# KiCad board smoothiev2-prime-2660.kicad_pcb (continued)
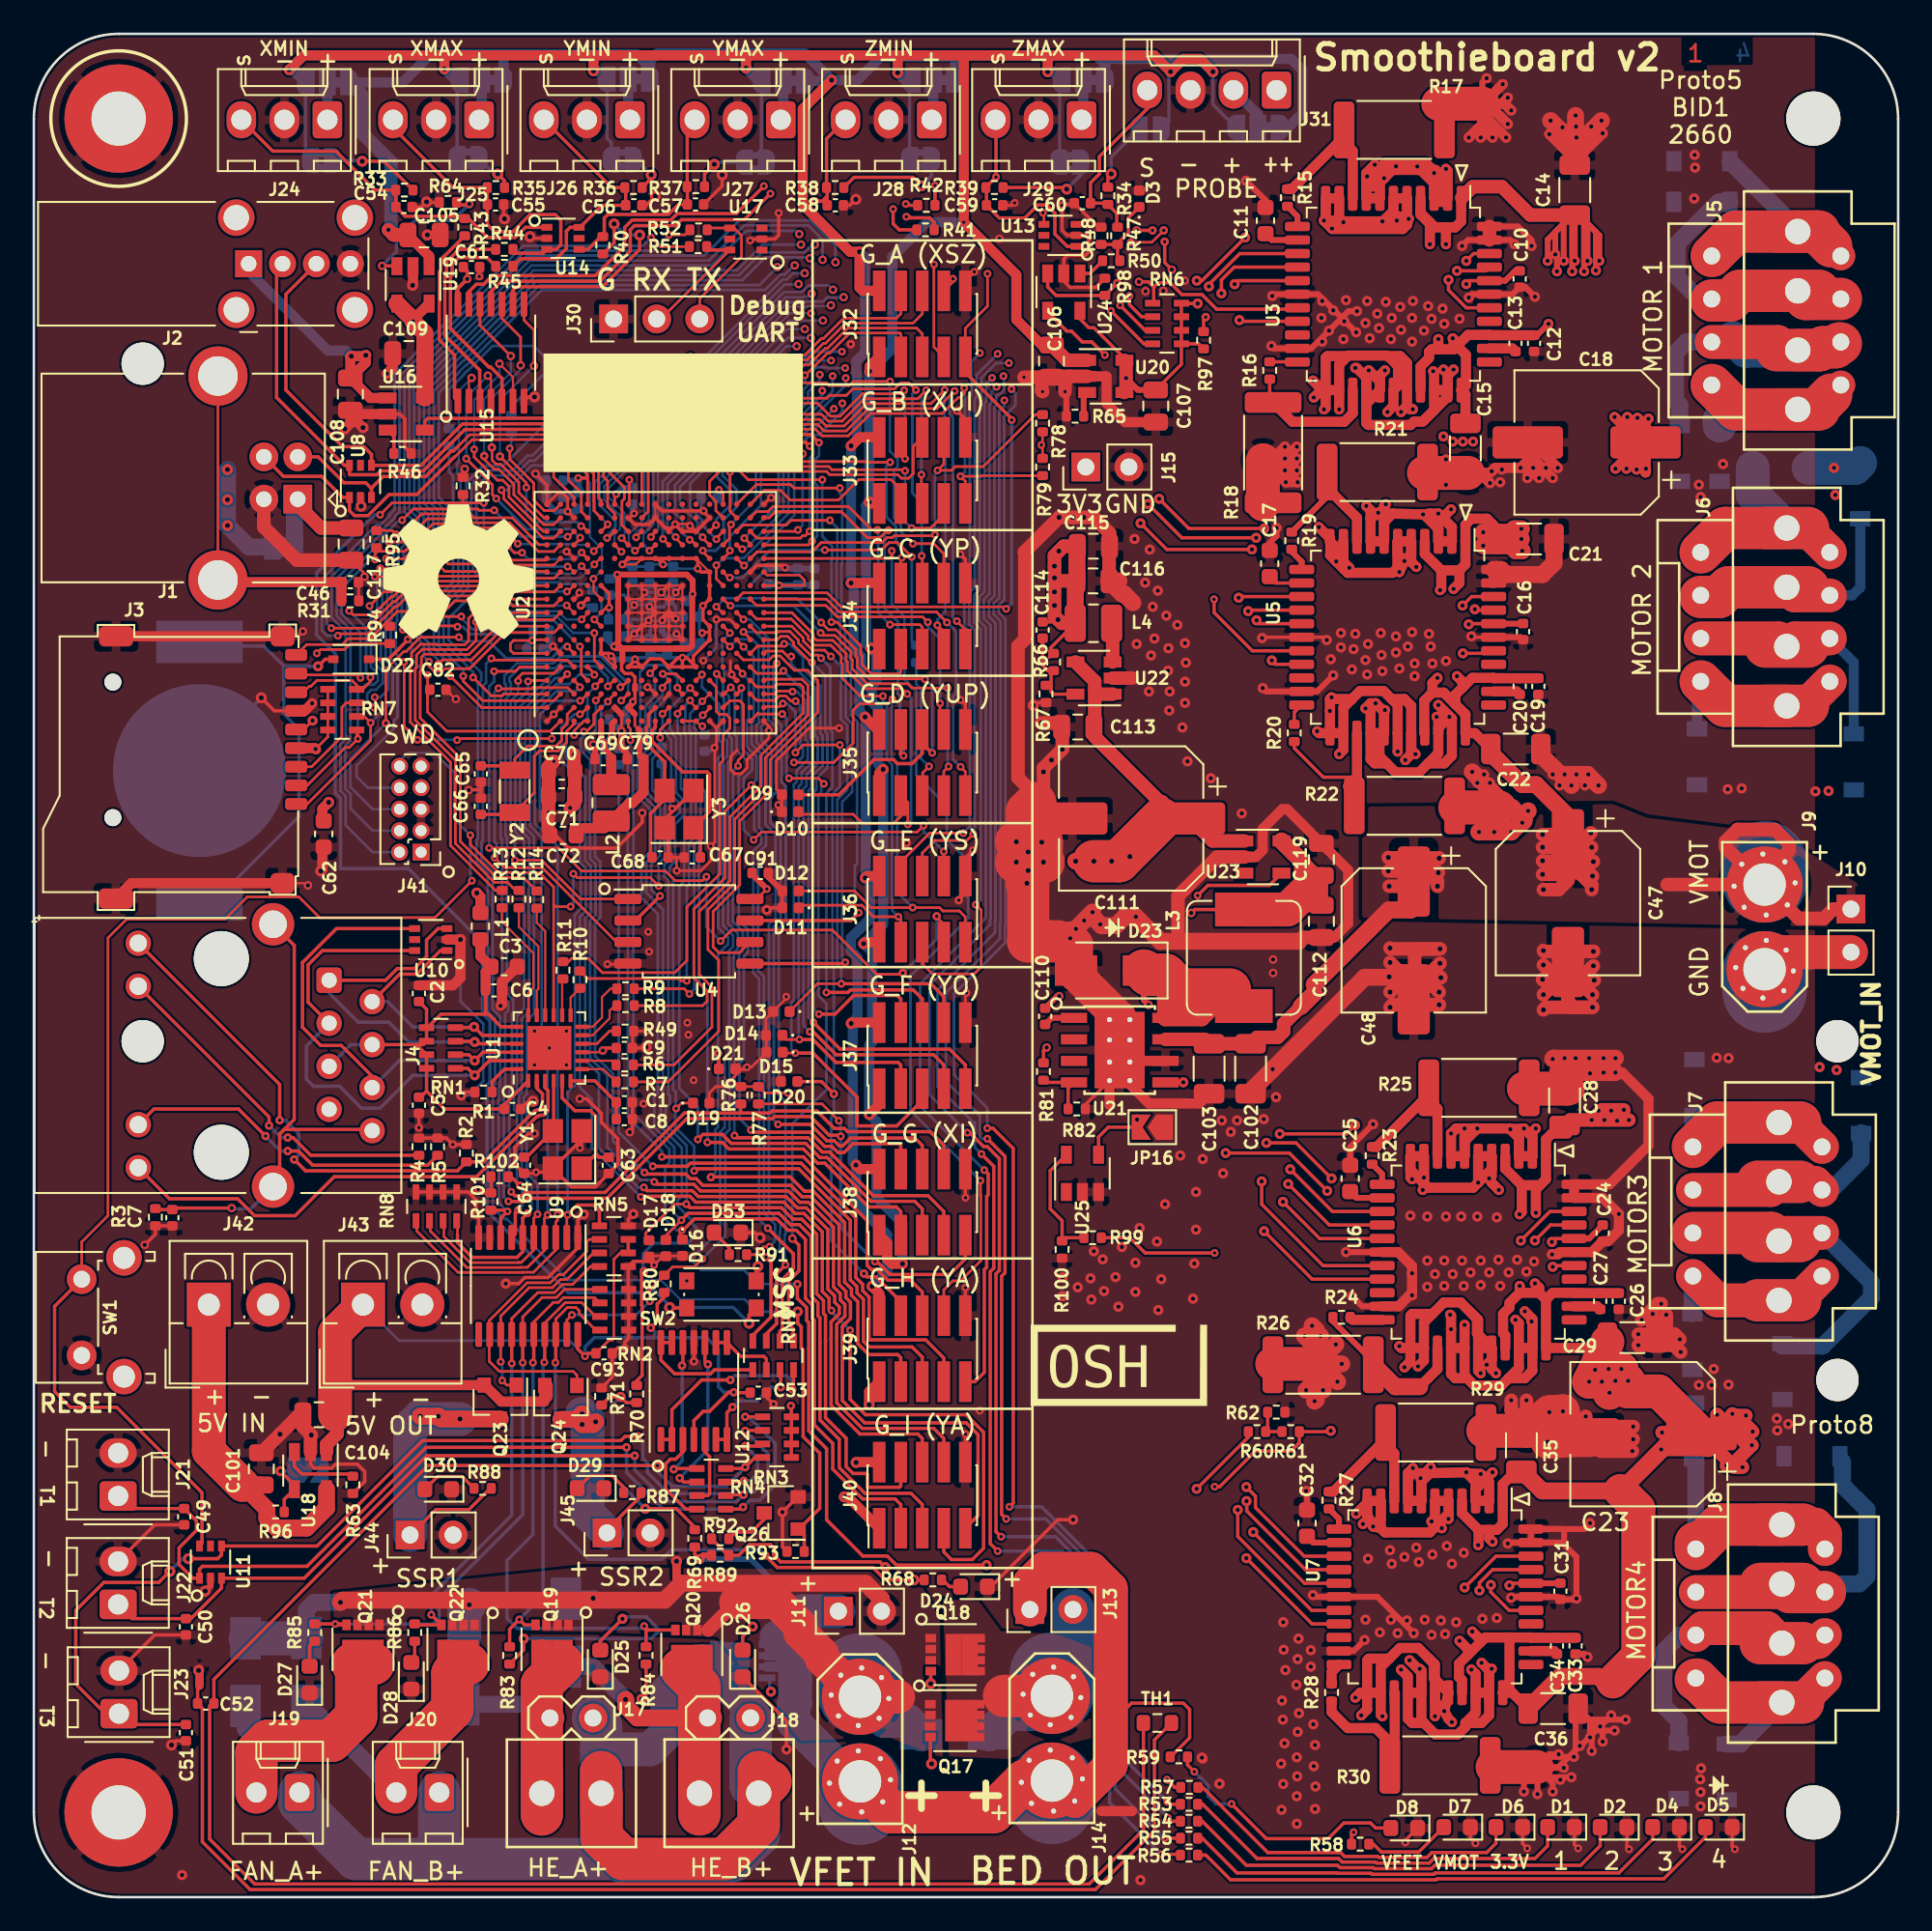
[diagram p0: board, top side]
## Via types (continued)
v2: diameter 0.6, hole 0.25, Top to Bottom, 594 vias
v3: diameter 0.46, hole 0.2, Top to Bottom, 462 vias
v4: diameter 0.5, hole 0.25, Top to Bottom, 75 vias
v5: diameter 0.5, hole 0.2, Top to Bottom, 61 vias

## Routing (per net, layer and track width the routed paths; a pad name or vN(x,y) marks a point on that pad's centre or on a via; arc(x,y) is an arc through that point)
/1.2V_MCU: length 91.3
  Top w0.16: U2.U12 43.25,78.05 45.18,78.05 45.47,77.75 45.47,77.44 v3(43.97,77.44) 43.96,77.43 U2.U11 ; U2.A6 28.3,73.43 28.12,73.61 28.12,74 28.3,74.19 v3(29.4,74.19) 29.44,74.23 U2.A7 ; U2.D17 32.67,83.99 31.68,84.98 30.89,84.98 30.67,84.75 30.67,83.83 31.87,82.63 U2.C17 ; 35.68,68.95 35.46,69.16 35.46,69.84
  Top w0.2: 38.85,73.91 38.57,73.63 34.87,73.63 34.68,73.82 ; 34.68,73.82 34.24,73.82 v3(34.23,73.83) ; 34.68,73.82 34.74,73.76 34.74,72.88 34.68,72.82 34.68,72.44 34.88,72.24 35.26,72.24 35.47,72.03 35.47,70.7 v3(35.34,70.57) ; 34.68,73.82 34.42,74.08 v3(34.42,78.08) ; v3(32.12,83.78) 32.67,83.78
  Top w0.35: 35.46,69.84 U2.G2 35.34,70.5 v3(35.34,70.57) ; 34.72,73.73 34.34,73.73 v3(34.23,73.83) 34.48,74.08 34.48,78.02 v3(34.42,78.08) 38.52,78.08 38.87,77.73 v3(38.87,76.93) 38.85,76.91 38.85,73.91 38.67,73.73 34.72,73.73 ; 34.72,73.73 34.72,72.97 ; 35.47,71.28 35.47,71.54 ; C79.1 35.74,67.41 35.74,68.89 35.67,68.95
  Top w0.6: C79.1 35.97,65.23 35.34,64.6 35.14,64.6 L2.1 33.64,63.11 31.89,63.11
  In1.Cu w0.6: 34.23,73.93 34.47,73.93 34.72,73.68 34.72,72.53 35.34,71.91 v3(35.34,70.57)
  In2.Cu w0.35: v3(29.4,74.19) 29.63,74.42 32.49,74.42 33.07,73.83 v3(34.23,73.83) ; v3(34.42,78.08) 33.82,78.68 33.82,79.44 33.28,79.98 33.28,80.07 32.87,80.48 32.87,83.03 v3(32.12,83.78)
  In2.Cu w0.6: v3(38.87,76.93) 39.18,77.24 43.77,77.24 v3(43.97,77.44)
  Bottom w0.16: v3(38.87,76.93) 38.48,76.54 C96.1
  Bottom w0.2: v3(34.42,78.08) 34.17,77.83 C97.1
  Bottom w0.35: 29.08,73.66 29.08,73.87 v3(29.4,74.19) 29.4,74.74 C73.1 ; v3(34.23,73.83) 33.86,74.21 C98.1 ; C75.1 45.08,77.47 C95.1 45.03,77.44 v3(43.97,77.44) 43.89,77.52 C74.1 ; v3(35.34,70.57) 34.92,70.15 C100.1 ; C77.1 31.85,82.66 32.18,82.99 32.18,83.72 v3(32.12,83.78) 31.97,83.63 31.48,83.63
/3V3: length 322.9
  Top w0.128: U2.H13 35.52,78.68 v3(34.72,78.68) ; U1.9 33.47,49.88 v4(33.57,49.98) ; U2.F5 U2.E6 ; U2.G13 U2.M13 U2.N12 ; U2.M5 U2.K5 ; U2.N8 U2.N7 ; v3(39.44,69.13) 39.37,69.13 U2.M1
  Top w0.16: R95.2 21.14,80.68 v3(21.37,80.45) ; v3(34.36,82.83) 34.27,82.74 U2.F17 ; U2.P17 40.67,82.83 v3(40.42,83.08) ; v3(16.7,73.43) 16.92,73.66 18.32,73.66 18.67,74 R94.2 ; U4.8 42.66,58.92 v3(43.25,59.52) ; 39.87,74.68 39.48,74.68 v3(39.43,74.63) ; R78.2 59.52,85.81 v3(59.45,85.73) 59.52,85.66 R79.2 ; R76.2 R77.2 43.11,47.48 v3(44.49,47.48) ; U2.E9 33.77,76.13 v3(33.94,76.13) 33.87,76.2 33.87,76.23 ; RN7.1 RN7.4 17.34,68.5 v4(16.62,67.78) ; v3(35.13,83.68) 35.13,82.29 U2.G17 ; 37.12,79.03 v3(37.12,78.68) ; U2.M1 U2.L1
  Top w0.2: U2.J13 36.77,79.03 v3(37.12,78.68) ; U2.M5 38.91,72.79 38.91,73.27 U2.N7 U2.N8 39.48,75.42 v3(39.48,76.24) U2.N10 U2.N12 39.37,78.23 v3(39.17,78.43) 39.17,78.93 U2.M13 U2.G13 v3(34.72,78.68) ; U2.M5 38.53,73.17 v3(38.27,73.17) ; U2.M5 U2.L5 ; v2(84.52,95.23) 84.72,95.43 U3.40 ; U5.40 84.7,75.18 v2(84.67,75.14) ; U2.F5 34.27,73.06 v3(34.06,73.27) 33.9,73.43 U2.E6 U2.E7 ; v3(66.86,6.93) 67.31,6.48 R57.1 ; v2(71.87,79.56) 71.87,79.56 66.85,79.56 v2(65.3,81.11) ; L4.1 59.99,73.75 59.99,73.28 59.92,73.2 ; v2(89.57,38.68) 89.77,38.88 U6.40 ; RN6.5 RN6.8 67.73,94.08 v2(68.67,94.08) ; RN6.5 68.73,91.7 R97.2 ; RN6.5 67.71,90.5 C107.1 ; v4(25.57,95.53) 25.57,96 C61.1 ; v4(25.57,95.53) 25.02,94.98 U15.14 ; v4(25.57,95.53) 24.95,94.91 24.95,94.11 ; v3(38.27,73.17) U2.L5 ; v3(38.27,73.17) 38.01,73.17 U2.K5 ; U2.E11 33.94,76.96 v3(33.94,76.13) ; U2.L5 U2.K5 ; U2.H5 36.35,73.11 36.99,73.11 U2.K5 ; U2.H5 U2.G5 35.47,73.03 ; U2.H5 35.47,73.03 ; R102.2 R101.2 26.42,41.58 v5(26.22,41.78) ; SW2.2 42.62,37.13 v1(42.72,37.23) ; v2(76.31,41.69) 74.08,43.93 v2(70.32,43.93) ; v5(44.67,29) 44.7,28.98 RN3.8 RN3.5 ; 35.47,73.03 v3(35.47,73.08) ; 64.35,90.73 64.35,90.86 62.55,92.66 62.24,92.66 61.72,93.18 U24.5 ; v1(60.43,75.42) 60.3,75.28 C114.2 ; C9.1 33.72,50.13 v4(33.57,49.98) ; v2(71.47,97.98) 68.92,95.43 v2(68.62,95.43) ; v2(87.07,18.4) 87.19,18.53 U7.40
  Top w0.35: C91.1 42.38,60.39 v3(43.25,59.52) ; C16.1 87.86,75.18 U5.40 ; C24.1 91.77,38.88 U6.40 ; U7.40 90.06,18.53 C31.1 ; C107.1 65.14,88.98 v2(64.45,89.68) ; U3.40 86.82,95.43 87.4,96.01 C10.1 ; v4(34.11,68.54) 34.11,69.27 U2.F1
  Top w0.6: J3.4 16.57,67.83 v4(16.62,67.78) 16.64,67.75 ; 17.02,63.59 17.02,64.26 v1(17.4,64.63) ; 26.34,58.11 26.34,59.07 v1(26.13,59.28)
  Top w0.8: 60.22,77.68 v1(60.22,77.06) v1(60.22,76.25) 60.22,75.63 v1(60.43,75.42) 60.64,75.2 L4.1 ; 60.22,77.68 v1(60.22,77.88) v1(60.22,78.58) 60.22,79.2 v1(60.48,79.47) 60.77,79.75 C115.1 ; 60.22,77.68 60.24,77.7 C116.1 ; v4(31.64,64.31) 31.87,64.53 31.87,65.38 ; 64.35,88.83 64.45,88.93 v2(64.45,89.68) 64.45,90.63 64.35,90.73 ; C70.1 31.92,65.43 ; 31.87,66.93 v4(31.87,67.45)
  Top w1: C115.1 61.55,79.73 C116.1 61.45,77.61 L4.1
  In2.Cu w0.2: 69.27,48.88 68.87,48.48 68.87,45.38 v2(70.32,43.93) ; v2(84.52,95.23) 84.22,94.93 74.52,94.93 v2(71.47,97.98) ; 69.07,18.93 69.27,19.13 69.27,23.85 69.14,23.98 69.14,24.48 69.27,24.61 69.27,37.75 69.21,37.81 69.21,39.15 69.27,39.21 69.27,42.18 68.39,43.06 64.7,43.06 64.02,43.73 63.95,43.73 ; v2(68.62,95.43) 68.62,94.13 v2(68.67,94.08) ; v2(76.31,41.69) 79.78,38.23 89.12,38.23 v2(89.57,38.68) ; v2(87.07,18.4) 85.74,17.08 75.97,17.08 75.81,16.92 75.03,16.92 74.87,17.08 70.92,17.08 68.3,19.71 68.3,19.75 68.28,19.77 67.46,19.77 63.98,16.29 63.98,9.81 v3(66.86,6.93) ; v2(71.87,79.56) 75.62,75.81 84,75.81 v2(84.67,75.14)
  In2.Cu w0.35: v4(31.87,67.45) 31.92,67.41 33.67,67.41 34.11,67.85 v4(34.11,68.54)
  In2.Cu w0.6: v4(25.57,95.53) 25.57,90.88 ; v2(65.3,81.11) 63.85,81.11 61.67,78.93 61.67,73.68 66.58,68.77 66.58,67.3 69.43,64.45 69.43,58.81 69.3,58.68 69.3,48.91 69.27,48.88
  Bottom w0.16: C88.1 33.91,76.1 v3(33.94,76.13) ; v3(39.17,78.43) 37.85,78.43 C83.1 37.6,78.68 v3(37.12,78.68) 36.44,78.68 C85.1 C90.1 34.84,78.56 v3(34.72,78.68) ; v3(40.42,83.08) 40.42,82.63 40.37,82.58 C94.1 ; v3(35.13,83.68) 35.32,83.49 C92.1 ; C87.1 39.43,74.13 v3(39.43,74.63) 39.27,74.79 C84.1 39.27,76.03 v3(39.48,76.24)
  Bottom w0.2: C89.1 36.39,73.33 C86.1 ; 36.37,73.17 35.56,73.17 v3(35.47,73.08) ; C87.1 38.47,73.17 v3(38.27,73.17) 37.37,73.17 ; 39.57,68.61 39.44,68.74 v3(39.44,69.13)
  Bottom w0.35: v3(35.47,73.08) 34.25,73.08 v3(34.06,73.27) ; v4(34.11,68.54) 33.88,68.31 33.88,67.27 34.3,66.85 C118.1 ; C92.1 34.72,83.19 v3(34.36,82.83)
  vias: v3(38.52,36.38)
/3V3_LIMIT: length 221.3
  Top w0.6: v1(49.29,29.06) 49.29,29.84 J39.1 ; J33.1 49.37,82.28 v1(49.29,82.36) ; v1(33.02,107.81) 33.02,108.63 32.92,108.73 ; 60.02,108.73 66.1,108.73 v1(67.07,107.76) 67.82,108.52 68.82,108.52 v1(69.57,107.76) ; 60.02,108.73 54.65,108.73 ; 60.02,108.73 59.82,108.53 v1(59.82,107.76) ; J32.1 49.31,90.36 v1(49.31,90.08) ; J37.1 49.88,46.79 v1(49.29,46.2) ; 54.65,108.73 51.07,108.73 ; 54.65,108.73 54.87,108.51 v3(54.87,98.88) 57.97,95.78 57.97,93.13 59.47,91.63 ; J38.1 50.35,38.61 50.35,37.67 50.63,37.39 v1(51.25,37.39) ; 24.12,108.73 15.92,108.73 v1(15.07,107.88) ; 24.12,108.73 32.92,108.73 ; 24.12,108.73 24.22,108.63 v1(24.22,107.93) ; 32.92,108.73 42.22,108.73 ; 51.07,108.73 50.97,108.63 v1(50.97,107.7) ; 51.07,108.73 42.22,108.73 ; 42.22,108.73 42.02,108.53 v1(42.02,107.98) ; J35.1 49.88,66.35 v1(50.11,66.58) ; v1(48.96,56.29) 49.05,56.38 J36.1 ; J34.1 49.43,73.68 v1(49.39,73.73) ; v1(47.82,23.63) 48.03,23.63 J40.1
  Top w0.8: U20.1 60.95,90.73 C106.1
  In2.Cu w0.6: v1(51.25,37.39) 51.25,31.03 v1(49.29,29.06) 49.29,25.1 v1(47.82,23.63)
  Bottom w0.2: JP14.1 60.53,102.49 60.53,107.19 JP6.3 ; JP5.3 51.67,107.18 JP13.1 ; JP9.1 16.02,102.83 JP1.3 ; JP2.3 24.97,107.13 JP10.1 ; JP3.3 33.82,107.28 33.82,103.83 34.07,103.58 JP11.1 ; JP8.3 69.57,105.83 v1(69.57,107.76) ; v1(67.07,107.76) 66.97,107.66 66.97,104.83 JP7.1 ; JP12.1 42.92,102.73 JP4.3
  Bottom w0.6: v1(59.82,107.76) 60.14,107.76 JP6.3 ; v1(33.02,107.81) 33.29,107.81 JP3.3 ; v1(24.22,107.93) 24.87,107.28 JP2.3 ; JP4.3 42.77,107.23 v1(42.02,107.98) ; v3(54.87,98.88) 52.7,98.88 50.65,96.84 50.65,91.41 v1(49.31,90.08) 49.29,90.06 v1(49.29,82.36) 49.11,82.17 49.11,74.01 v1(49.39,73.73) 49.71,73.4 49.71,71.81 49.44,71.54 49.44,70.57 49.81,70.2 49.81,66.87 v1(50.11,66.58) 50.11,57.44 v1(48.96,56.29) 49.45,55.81 49.45,50.45 49.29,50.3 v1(49.29,46.2) 49.72,45.78 49.72,41.31 51.25,39.77 v1(51.25,37.39) ; JP1.3 15.27,107.88 v1(15.07,107.88) ; JP5.3 51.39,107.28 v1(50.97,107.7)
/5V: length 297.9
  Top w0.16: RN5.2 34.6,38.03 34.22,37.66 34.22,32.98 34.12,32.88 33.94,32.88 C93.1
  Top w0.2: C53.1 41.32,29.78 v5(41.3,29.81) 40.99,29.81 39.87,28.68 39.49,28.68 38.95,28.13 U12.4 ; RN5.3 RN5.2 ; U9.20 32.1,32.35 v3(32.52,31.93) 32.69,32.11 C93.1 ; v5(36.4,33.61) 36.78,33.99 36.78,35.01 37.2,35.42 R80.2
  Top w0.6: U19.5 22.37,93.13 ; 30.22,29.58 30.12,29.48 30.12,29.25 27.57,29.25 26.59,30.23 17.89,30.23 17.77,30.11
  Top w0.8: U18.1 17.27,26.73 17.89,27.36 17.89,28.36 C104.1 ; 66.52,64.58 62.59,68.51 62.59,71.22 ; 62.59,71.22 62.8,71.02 U22.1 ; 62.59,71.22 62.59,71.78 U22.4 ; 30.22,30.2 30.22,29.58 ; C111.1 69.55,62.36 U23.1
  Top w1: 17.77,33.33 C104.1 ; v1(61.47,61.16) 64.39,61.16 v1(64.67,61.43) 64.67,62.73 66.52,64.58 ; U19.4 22.37,93.13 v2(22.37,93.03) 23.07,92.33 U16.5
  Top w2: C104.1 17.77,33.33 J43.1
  Top w2.5: v1(62.54,61.16) 64.02,61.16 66.52,63.66
  In1.Cu w1: v2(22.37,93.03) 21.32,91.98 17.42,91.98 11.77,86.33 8.52,86.33
  In1.Cu w2.5: 19.42,35.03 15.97,38.48 8.98,38.48 8.65,38.81 8.65,39.7 7.68,40.67 4.37,40.67 2.54,42.5 2.54,84.2 4.67,86.33 8.52,86.33
  In2.Cu w2: 45.92,20.13 45.62,20.13 44.62,19.13
  In2.Cu w2.5: 44.42,18.83 46.14,20.55 48.82,20.55 51.6,23.33 53.72,23.33 ; J43.1 19.42,18.48 20.86,17.04 20.86,15.9 22.73,14.03 26.5,14.03 27.06,13.47 30.49,13.47 30.6,13.36 ; 53.8,23.5 57.87,27.57 57.87,46.05 57.48,46.44 57.48,56.09 v1(62.54,61.16) 64.39,61.16 v1(64.67,61.43) ; 30.62,13.39 31.25,14.01 34.04,14.01 34.37,13.68 37.67,13.68 41.64,17.65 43.34,17.65 44.72,19.03
  Bottom w0.16: J43.1 21.55,32.86 31.59,32.86 v3(32.52,31.93)
  Bottom w0.2: 36.64,33.03 36.64,33.37 v5(36.4,33.61) ; 36.64,33.03 33.07,33.03 32.52,32.48 v3(32.52,31.93) ; 36.64,33.03 39.7,33.03 40.39,32.33 40.39,30.13 40.72,29.81 v5(41.3,29.81)
  vias: v1(63.6,61.16)
/5V_IN: length 87.7
  Top w1: U18.5 17.27,22.97 16.09,21.79 14.32,21.79 13.75,22.36 R96.2 13.75,22.9 12.32,24.33 C101.1
  Top w2: J42.1 10.32,26.33 12.32,24.33
  In2.Cu w1: v1(11.42,84.28) v1(11.42,82.5) v1(11.42,80.97)
  In2.Cu w2.5: 10.37,34.88 10.37,37.93 8.13,40.17 7.88,40.17 7.34,40.71 4.49,40.71 2.22,42.98 2.22,76.03 8.69,82.5 10.66,82.5
  Bottom w1: JP17.2 12.69,79.7 v1(11.42,80.97) v1(11.42,84.28)
/5V_LIMIT: length 187.2
  Top w0.6: J38.2 48.75,42.98 v1(48.51,43.22) ; v1(48.22,51.58) 48.28,51.63 J37.2 ; v1(48.22,85.68) 48.72,86.18 J33.2 ; C105.1 23.32,96.88 U19.1 ; J32.2 48.91,94.83 48.72,95.02 v1(48.72,97.14) 48.15,97.14 45.37,99.92 45.37,105.57 v1(47.07,107.27) ; J39.2 49.88,35.64 v1(49.46,36.06) ; J36.2 49.16,60.28 v1(49.06,60.17) ; J40.2 48.54,25.68 v1(48.52,25.66) ; v1(49.04,69.67) 49.78,68.93 J35.2 ; J34.2 v1(48.22,77.58)
  Top w0.8: v2(20.92,98.43) 21.22,98.13 C105.1
  In2.Cu w0.6: v1(48.52,25.66) 48.52,31.72 49.46,32.66 v1(49.46,36.06)
  Bottom w0.6: v1(47.07,107.27) 47.03,107.23 JP4.1 ; v1(47.07,107.27) 48.6,107.27 49.99,108.66 54.17,108.66 54.37,108.46 ; v1(47.07,107.27) 45.5,108.84 36.78,108.84 36.37,108.43 JP3.1 36.37,107.43 36.34,107.46 36.34,108.04 35.58,108.8 27.64,108.8 ; JP2.1 27.72,108.72 27.64,108.8 ; JP6.1 63.22,108.2 62.9,108.52 ; v1(49.46,36.06) 50.35,36.95 50.35,39.11 48.51,40.94 v1(48.51,43.22) 48.32,43.41 48.32,51.48 v1(48.22,51.58) 48.59,51.94 48.59,55.48 48.2,55.87 48.2,56.62 49.33,57.75 49.33,59.9 v1(49.06,60.17) 49.08,60.2 49.08,69.63 v1(49.04,69.67) 48.71,70 48.71,71.84 48.8,71.93 48.8,73.25 48.38,73.68 48.38,77.42 v1(48.22,77.58) v1(48.22,85.68) 48.56,86.02 48.56,90 48.53,90.03 48.53,90.69 49.04,91.2 49.04,96.81 v1(48.72,97.14) 48.64,97.14 48.63,97.15 ; 27.64,108.8 23.42,108.8 21.75,107.13 JP1.1 ; 62.9,108.52 62.71,108.71 54.61,108.71 54.36,108.46 54.37,108.46 ; 62.9,108.52 74.19,108.52 74.85,107.87 74.85,105.31 74.02,104.48 JP8.1 ; 54.37,108.46 JP5.1
  Bottom w0.8: v2(20.92,98.43) 21.07,98.58 21.07,102.43 19.32,104.18 19.32,106.43 JP1.1
/mosfets/GND_FET: length 65.9
  Top w0.8: Q20.1 41.43,17.41 41.93,17.41 43.05,18.53
  Top w1: J11.2 50.01,17.59 49.07,18.53 38.22,18.53 37.22,17.53 18.22,17.53 v1(18.09,17.4)
  Top w2: J12.2 50.99,11.83 ; J12.2 46.49,14.08 ; J12.2 48.74,11.98 ; 46.49,14.08 46.49,14.35 45.22,15.63 45.22,16.03 43.83,17.41 41.43,17.41 ; 46.49,14.08 46.49,14.12
  Bottom w1: v1(33,17.64) 32.97,17.61 D50.2 ; v1(18.09,17.4) 16.53,17.4 16.08,16.95 D52.2
  Bottom w2: J12.2 50.17,10.4 51.56,10.4 D49.2 ; D51.2 16.06,15.28 D52.2 ; D48.2 25.4,16.97 v1(25.69,17.26)
/VBAT: length 17.1
  Top w0.16: C82.1 23.23,71.15 23.23,70.42 ; 23.23,70.42 23.23,69.97 24.36,68.84 30.48,68.84 U2.B1 ; 23.23,70.42 v3(23.23,72.14)
  Top w0.2: v3(22.06,74.26) 22.06,74.22 21.52,73.68 21.52,73.67 21.31,73.45 21.29,73.45 20.92,73.08 D22.1
  Bottom w0.16: v3(23.23,72.14) 22.29,73.08 22.29,74.03 v3(22.06,74.26)
GND: length 907.6
  Top w0.128: J3.10 15.57,74.43 v4(15.87,74.73) ; U2.H11 35.87,77.18 v3(36.02,77.03) ; U2.H11 U2.H7 ; U2.H11 U2.G11 ; U2.G11 U2.L11 U2.L7 U2.G7 U2.G11 ; v3(38.71,80.96) 38.74,80.96 U2.M15 38.62,81.08 38.45,81.08 38.44,81.07 38.1,81.07 38.09,81.08 37.92,81.08 U2.K15 U2.J16 U2.J17 ; U2.G9 U2.L9 ; v4(16.17,59.73) 16.04,59.86 J3.11 ; C46.2 19.15,76.55 R31.2 19.17,77.61 v4(19.5,77.95) ; U2.G8 U2.L8 ; U2.K11 U2.K7 ; U2.C13 31.47,79.43 v3(31.43,79.43) ; U2.A1 U2.B2 ; U2.J7 U2.J11 ; U2.C10 32.18,76.94 v3(32.18,77.01) ; U2.G10 U2.L10
  Top w0.16: v3(35.41,81.68) 35.16,81.43 U2.G16 ; v4(24.89,70.73) 24.87,70.73 C82.2 ; U2.G7 v3(35.42,74.58) ; C61.2 26.3,95.7 v3(26.28,95.68) ; U2.L7 v3(37.92,74.58) ; U2.P1 40.27,69.03 ; 40.27,69.03 U2.N1 ; 40.27,69.03 40.27,67.97 v3(40.16,67.86) 40.18,67.83 40.18,62.29 v3(39.94,62.05) 39.94,61.19 39.35,60.6 v3(37.93,60.6) 37.92,60.61 37.92,61.38 ; D19.2 39.86,47.49 40.23,47.86 40.74,47.86 41.74,48.86 41.93,48.86 v3(42.07,48.99) 42.33,48.99 D15.2 43.22,50.86 D14.2 43.2,51.86 44.39,53.06 v3(44.39,53.16) ; U2.U1 43.37,69.13 v3(43.37,68.88) 43.37,68.43 42.09,67.14 42.09,66.67 41.74,66.32 41.34,66.32 41.11,66.55 41.11,67.33 41.5,67.72 ; C117.2 19.5,78.15 v4(19.5,77.95) ; v3(39.52,81.84) 39.52,81.78 U2.N16 ; v4(29.6,84.03) 30.27,83.36 U2.A17 30.92,82.88 31.21,82.88 31.5,82.59 v3(31.5,81.8) U2.C16 ; J37.10 54.96,53.32 v3(55.02,53.38) ; v3(36.6,37.31) 36.6,37.31 37.12,37.84 ; C64.2 29.57,42.73 v3(29.63,42.79) ; D9.2 43.81,65.4 43.81,67.09 45.73,69.01 v3(47.52,69.01) ; v3(36.21,71.43) 36.27,71.43 U2.J3 ; v3(40.27,75.43) 41.07,75.43 U2.R8 ; v3(32.22,44.23) 32.32,44.33 Y1.2 ; 36.02,37.73 36.14,37.86 38.12,37.86 ; J36.10 54.96,59.25 v5(54.57,58.86) ; 41.1,73 41.1,72.26 v3(41.18,72.18) 41.18,72.12 U2.R4 ; v3(36.17,51.14) 36.16,51.13 R49.2 35.32,51.06 C9.2 ; v3(30.63,73.85) 30.65,73.85 U2.B6 ; U2.U17 43.46,82.62 v3(43.5,82.62) ; 38.1,64.5 37.86,64.27 v3(37.67,64.27) ; U2.L11 v3(37.87,77.03) ; U2.K3 37.17,70.73 ; 34.67,69.83 34.67,68.85 v4(34.67,68.84) ; C79.2 35.01,67.49 ; U4.4 35.02,55.08 v3(33.85,55.08) ; U2.A1 v3(30.67,69.83)
  Top w0.2: v5(30.42,50.13) 30.42,50.25 v5(29.54,51.13) ; v5(30.42,50.13) 29.54,49.25 v5(29.54,49.13) ; v5(30.42,50.13) v5(31.42,51.13) ; v5(30.42,50.13) v5(31.42,49.13) ; v4(6.54,38.51) 7.17,39.14 R3.2 C7.2 ; 22.59,41.63 25.62,41.63 26.09,41.16 v3(26.09,40.25) 26.25,40.11 U9.10 ; C59.2 57.73,99.88 v3(57.87,100.02) ; RN5.4 35.07,40.03 v2(35.37,40.33) ; C58.2 48.15,99.88 v1(48.5,100.23) ; v2(32.44,40.3) 32.1,39.95 U9.1 32.1,38.33 30.34,36.58 28.97,36.58 28.61,36.22 v2(27.84,36.22) ; v3(54.97,27.33) 54.96,27.32 J40.10 ; U12.11 v5(38.95,31.63) ; J23.2 7.13,15.48 C50.2 ; Y1.4 31.72,41.93 33.13,41.93 C63.2 34.46,43.26 34.46,44.77 33.48,45.75 33.48,46.26 32.61,47.13 v4(32.21,47.13) ; Y1.4 30.38,42.79 v3(29.63,42.79) ; Y1.4 32.32,44.73 Y1.2 ; C1.2 C8.2 35.32,45.32 v4(35.16,45.16) ; v4(35.89,64) 35.89,63.45 34.37,61.93 31.52,61.93 30.35,63.11 ; v3(91.12,2.88) 90.89,3.1 D1.1 ; J33.10 54.96,87.25 v3(54.47,87.74) ; v3(80.92,3.23) 80.92,3.35 D8.1 ; v3(85.06,3.18) 84.76,3.48 D7.1 ; v4(25.66,65.36) 25.69,65.38 26.37,65.38 ; J38.10 54.96,41.3 v3(54.97,41.29) ; J36.10 54.96,61.36 v3(55.41,61.81) ; v2(25.22,47.33) 25.42,47.53 R1.2 ; 16.32,27.18 16.32,27.23 v1(16.37,27.28) ; v3(54.68,70.68) 54.96,70.4 J35.10 ; D53.1 42.55,39.23 v1(42.85,38.93) ; 43.23,29.78 43.23,29.53 v5(43.64,29.11) ; R32.1 25.32,84.21 v4(25.42,84.32) ; U14.2 29.37,97.93 v1(29.27,98.03) ; v1(9.72,13.38) 9.77,13.43 NT11.2 ; v2(76.28,74.21) 76.12,74.38 U5.17 72.52,74.38 v2(72.47,74.33) ; C51.2 8.37,9.23 v1(8.12,8.98) ; D5.1 100.21,2.99 v3(100.37,2.83) ; v3(97.27,2.83) 97.1,3 D4.1 ; v1(27.77,99.08) 27.72,99.13 C55.2 ; C49.2 7.13,21.98 J22.2 ; C67.2 C68.2 37.43,62.92 Y3.4 37.22,63.63 Y3.2 ; v3(54.67,79.28) 54.96,78.99 J34.10 ; U21.9 62.05,46.78 R82.2 ; U2.J17 37.06,81.84 39.51,81.84 v3(39.52,81.84) ; v1(19.31,82.12) 19.27,82.15 U8.2 ; C56.2 36.12,99.88 v1(36.67,100.43) ; Q26.2 45.07,23.63 v2(44.17,22.73) 44.17,20.67 44.43,20.41 ; 26.37,65.38 C65.2 ; 26.37,65.38 C66.2 ; v3(55.49,95.95) 54.96,95.42 J32.10 ; v4(29.54,45.08) 29.19,45.08 28.38,44.27 28.38,43.27 C64.2 ; v3(54.97,35.98) 54.96,35.97 J39.10 ; v4(37.02,77.03) 37.42,77.43 U2.K11 ; U2.T12 42.66,78.62 44.19,78.62 v3(44.32,78.49) ; v1(29.45,46.99) 29.18,46.99 C4.2 ; 22.72,44.81 24.34,44.81 v5(24.72,44.43) R2.2 ; v3(42.27,97.8) 42.36,97.89 U17.2 43.72,97.89 43.95,98.12 v3(43.95,99.43) ; 56.39,18.58 56.72,18.58 60.42,22.28 v2(61.32,22.28) ; U2.G16 35.46,81.04 36.28,81.04 U2.J16 37.28,80.82 37.6,80.82 v3(37.83,81.05) 38.25,80.63 U2.L15 U2.M15 U2.N16 ; 59,70.39 v1(58.97,70.36) 59.14,70.52 R67.2 ; C54.2 22.87,99.78 v1(23.17,100.08) 23.2,100.06 R64.2 ; C5.2 v5(22.72,45.43) ; J3.6 14.19,70.03 v1(13.42,70.81) ; R98.1 62.65,95.03 61.14,95.03 60.77,95.41 U24.2 60.77,96.7 60.99,96.93 62.05,96.93 62.24,97.13 62.24,97.95 62.1,98.11 U13.2 60.97,98.11 60.67,98.41 v3(60.67,99.88) 60.72,99.93 61.42,99.93 ; U18.2 16.32,25.55 16.54,25.33 17.57,25.33 17.8,25.56 19.09,25.56 19.52,25.13 19.52,24.53 R63.2 ; v3(88.12,2.88) 87.85,3.16 87.85,4.13 ; C57.2 40.61,101.02 v1(40.61,101.67) ; v3(94.12,2.83) 93.99,2.96 D2.1 ; C9.2 36.07,50.13 v1(36.12,50.18) ; v2(44.41,8.72) 44.41,10.42 D26.1 ; v1(29.54,88.56) 29.17,88.56 U15.7 ; U5.39 84.87,74.38 v2(84.82,74.43) ; 44.14,64.59 44.03,64.59 v3(43.92,64.48) ; 44.14,64.59 D10.1 ; 44.14,64.59 D9.2 ; 41.74,48.86 41.7,48.9 D21.2 ; D17.2 36.6,37.51 v3(36.6,37.31) 36.37,37.53 35.37,37.53 RN5.1 35.07,35.91 RN2.4 35.1,32.98 34.87,32.76 v3(34.87,32.43) 34.45,32.43 34.13,32.11 34.13,30.7 R71.1 ; U16.2 21.6,87.56 21.89,87.26 21.89,85.59 22.25,85.23 ; D12.2 D11.2 43.36,58.41 v2(43.24,58.28) ; v3(36.32,76.18) U2.J9 36.27,75.43 v3(36.27,75.38) 35.92,75.03 U2.H8 v3(35.42,74.58) ; 62.92,98.61 62.79,98.61 C60.2
  Top w0.35: U7.44 91.47,21.73 v2(91.82,22.08) ; U7.44 90.22,21.73 90.3,21.66 90.3,20.81 ; U7.44 U7.43 ; U5.39 87.72,74.38 C16.2 ; U7.43 90.17,20.93 90.3,20.81 ; U7.43 87.02,20.93 v2(86.97,20.88) ; NT1.2 85.47,107.13 v2(85.72,107.38) ; v2(87.37,97.58) 87.12,97.83 U3.43 84.62,97.83 v2(84.27,97.48) ; 90.97,8.68 90.97,10.98 C36.2 ; 90.97,8.68 v2(91.22,8.93) 91.27,8.93 v2(93.07,10.73) ; 90.97,8.68 89.97,7.68 NT8.2 ; C11.2 72.67,100.18 v2(71.52,101.33) ; v2(93.92,10.48) 91.77,10.48 C36.2 ; U6.21 78.37,34.88 v2(77.77,35.48) ; v2(75.07,23.98) 75.12,23.93 C32.2 ; v2(90.27,7.63) 88.72,7.63 ; 88.72,7.63 v2(88.72,6.08) ; 88.72,7.63 NT8.2 ; U3.44 87.57,98.63 88.37,97.83 v2(88.37,97.48) ; v2(91.67,14.18) 91.5,14.35 C33.2 ; C36.2 92.57,9.68 v2(92.57,9.18) ; C36.2 91.92,10.33 v2(91.92,8.63) ; C36.2 92.42,9.83 v2(93.27,9.83) ; C36.2 91.82,10.43 v2(91.82,9.43) ; v2(78.07,93.63) 77.57,93.63 75.37,91.43 U3.21 73.17,91.43 v2(73.02,91.58) ; 90.3,20.81 91.02,20.08 v2(91.02,17.63) 90.97,17.58 C31.2 89.92,17.73 U7.39 87.22,17.73 v2(87.17,17.68) ; v2(78.02,92.38) 75.77,94.63 U3.17 73.17,94.63 v2(73.07,94.53) ; v2(76.67,72.13) 75.72,71.18 U5.21 72.71,71.18 v2(72.51,71.38) ; U11.2 10.42,18.38 v1(10.11,18.07) ; C91.2 43.34,60.22 D12.2 ; C69.2 33.11,67.94 v4(33.01,68.04) ; v3(37.07,75.38) 37.07,75.43 U2.K9 37.82,75.48 v3(37.87,75.48) ; v2(88.57,94.48) 88,95.05 C10.2 87.25,94.63 U3.39 84.87,94.63 v2(84.67,94.43) ; U7.21 77.87,14.53 v2(78.52,15.18) ; NT8.2 89.27,8.28 v2(90.87,8.28) ; NT8.2 87.92,6.93 v2(87.92,6.23) ; NT8.2 89.42,8.43 v2(89.97,8.43) ; NT8.2 89.62,6.73 v2(89.62,6.23) ; NT8.2 89.27,7.08 v2(90.72,7.08) ; C105.2 v1(23.22,98.13) ; v2(75.47,17.83) 75.57,17.73 U7.17 79.27,17.73 v2(81.42,15.58) ; v4(34.67,68.84) 34.67,67.83 35.01,67.49 ; v2(79.02,45.63) 77.67,44.28 C25.2 ; v3(60.85,88.88) 60.92,88.8 R65.2 ; C17.2 72.92,79.95 73.33,80.36 v2(73.33,80.83) ; U2.F2 34.67,69.83 ; U6.17 v2(77.42,38.08)
  Top w0.6: 68.97,8.18 v2(68.92,8.23) ; 64.8,5.08 62.99,5.08 ; C108.2 18.67,87.5 v1(19.42,86.75) ; C108.2 18.67,87 v1(18.34,86.68) ; C108.2 18.89,87.56 U16.2 ; v2(89.58,37.94) 89.59,37.95 89.92,37.95 90.05,38.08 U6.39 91.93,38.08 C24.2 92.88,38.72 93.52,39.36 v2(93.52,40.33) 92.57,41.28 U6.43 U6.44 92.97,42.08 95.27,44.38 95.27,47.13 93.72,48.68 93.12,48.68 ; NT1.2 85.47,104.48 v2(86.07,103.88) ; NT1.2 85.47,104.68 v2(84.67,103.88) ; NT1.2 85.52,105.88 v2(86.67,107.03) ; NT1.2 86.62,105.88 v2(86.97,106.23) ; NT1.2 85.47,105.28 v2(86.87,103.88) ; NT1.2 85.77,105.88 v2(86.97,104.68) ; NT1.2 86.77,105.88 v2(87.17,105.48) ; NT1.2 85.47,103.98 v2(85.37,103.88) ; C14.2 90.92,102.48 v2(92.57,104.13) ; C14.2 90.92,102.58 v2(89.42,104.08) ; C14.2 90.92,103.78 v2(91.02,103.88) ; C18.2 88.14,83.81 v2(88.12,83.78) ; C18.2 88.14,84.45 v2(88.82,83.78) ; C18.2 88.14,84.81 v2(87.72,84.38) 86.22,84.38 v2(86.02,84.18) 85.92,84.08 NT3.2 ; C18.2 88.42,85.88 v2(89.92,84.38) ; C18.2 88.14,85.25 v2(89.62,83.78) ; U6.17 80.49,38.08 81.32,37.25 v2(81.32,36.83) v2(81.32,35.53) 81.17,35.53 80.52,34.88 U6.21 ; J3.11 5.75,59.86 J3.11 ; NT2.2 72.57,84.83 v2(73.87,83.53) v2(74.57,83.53) 73.87,84.23 v2(73.82,84.23) 73.22,84.83 NT2.2 ; NT2.2 73.72,84.83 v2(74.52,85.63) ; NT2.2 74.42,84.83 v2(74.52,84.93) ; NT2.2 73.92,84.83 v2(74.52,84.23) ; NT2.2 73.02,84.83 v2(73.82,85.63) ; U19.2 22.37,95.18 v1(22.34,95.16) ; U5.43 U5.44 ; 17.02,62.05 17.02,60.67 v1(16.93,60.58) ; NT3.2 85.32,84.08 v2(85.92,83.48) ; NT3.2 84.02,84.08 v2(83.32,83.38) ; C109.2 21.17,90.28 v4(20.83,89.94) ; 63.47,46.77 U21.9 64.07,48.81 U21.9 ; U23.2 72.1,61.41 72.51,61.82 72.51,63.07 73.67,64.23 73.95,64.23 C119.2 77.55,60.63 77.55,57.48 76.73,56.66 C112.2 ; J3.6 15.97,70.03 v4(16.42,70.48) ; C2.2 24.72,53.83 25.17,54.28 v1(25.17,56.53) U10.2 ; U21.9 64.07,48.58 65.8,46.86 68.77,46.86 C103.2 ; U21.9 64.7,49.37 U21.6 ; U20.2 63.27,89.78 63.3,89.76 63.3,88.18 64.39,87.08 C107.2 ; J3.11 14.67,74.44 J3.10 ; v4(27.53,52.62) 27.62,52.71 C6.2 27.62,54.03 C3.2
  Top w0.8: v1(91.97,53.28) 91.1,54.16 90.52,54.16 ; 90.52,54.16 89.95,54.16 ; 90.52,54.16 90.52,55.53 90.82,55.83 v1(92.02,55.83) 89.12,55.83 v1(89.07,55.88) ; 90.52,54.16 89.05,54.16 v1(89.02,54.18) ; 90.52,54.16 91.2,54.16 v1(92.02,54.98) ; 90.52,54.16 90.52,52.88 90.87,52.53 v1(91.97,52.53) 89.22,52.53 v1(89.07,52.38) ; 90.52,54.16 92.05,54.16 v1(92.07,54.13) ; 89.95,54.16 v1(89.07,53.28) ; 89.95,54.16 v1(89.07,55.03) ; v2(87.17,29.33) 87.17,28.75 C35.2 ; v2(97.17,32.18) 96.77,32.58 v2(94.67,32.58) ; 91.8,26.98 92.6,27.78 v2(94.37,27.78) ; 91.8,26.98 91.57,27.2 v2(91.57,28.38) ; 91.8,26.98 92.45,26.33 v2(94.32,26.33) ; 91.8,26.98 91.85,27.03 v2(94.37,27.03) ; v1(79.97,54.33) 79.99,54.31 81.47,54.31 ; v3(60.85,88.88) 60.85,89.53 61.1,89.78 ; 74.64,56.43 74.87,56.66 C112.2 ; 81.47,54.31 82.05,54.31 v1(82.92,53.43) ; 81.47,54.31 81.47,55.68 81.77,55.98 v1(82.97,55.98) 80.07,55.98 v1(80.02,56.03) ; 81.47,54.31 81.47,53.03 81.82,52.68 v1(82.92,52.68) 80.17,52.68 v1(80.02,52.53) ; 81.47,54.31 80.89,54.31 ; 81.47,54.31 82.14,54.31 v1(82.97,55.13) ; 81.47,54.31 82.99,54.31 v1(83.02,54.28) ; 80.89,54.31 v1(80.02,55.18) ; 80.89,54.31 v1(80.02,53.43) ; U22.2 64.81,71.97 ; U23.2 69.82,61.41 67.51,59.09 67.51,56.69 67.77,56.43 ; v1(16.37,27.28) 15.87,27.78 C104.2 15.67,28.48 v1(14.52,27.33) C101.2 ; v3(59.52,88.88) 59.47,88.93 59.47,89.73 ; v2(95.52,34.43) 95.52,33.06 95.8,32.78 96.32,33.31 v2(96.32,34.38) ; NT7.2 88.07,27.58 v2(88.07,29.33) ; v2(94.67,33.23) 96.82,33.23 v2(97.12,32.93) ; 63.45,77.7 63.45,79.73 C115.2 63.47,80.53 62.55,81.45 v1(61.95,81.45) v1(61.3,81.45) v1(60.49,81.45) 58.45,79.41 58.47,79.38 58.47,74.25 58.07,73.86 58.07,66.08 59.57,64.58 v1(59.57,66.43) 59.57,66.66 v1(60.05,67.13) v1(60.68,67.77) 60.68,69.04 60.39,69.33 v1(59.45,69.33) ; C117.2 15.52,78.93 13.57,80.88 J1.4 ; 30.35,63.11 30.35,64.03 v3(30.37,64.06) C70.2 30.37,66.74 v3(30.68,67.05) ; 59.47,89.73 v3(58.42,89.73) ; 59.47,89.73 59.52,89.78 ; v2(94.87,34.08) 95.82,35.03 v2(96.02,35.03) ; 61.1,89.78 60.1,89.78 ; 61.1,89.78 U20.2 ; U18.2 16.32,27.18 ; U3.44 85.88,97.84 ; 30.37,65.33 30.32,65.38